# Altium PCB CRD25DA12N-FMC V2 (09-2024).PcbDoc (part 2 of 6) (continued)
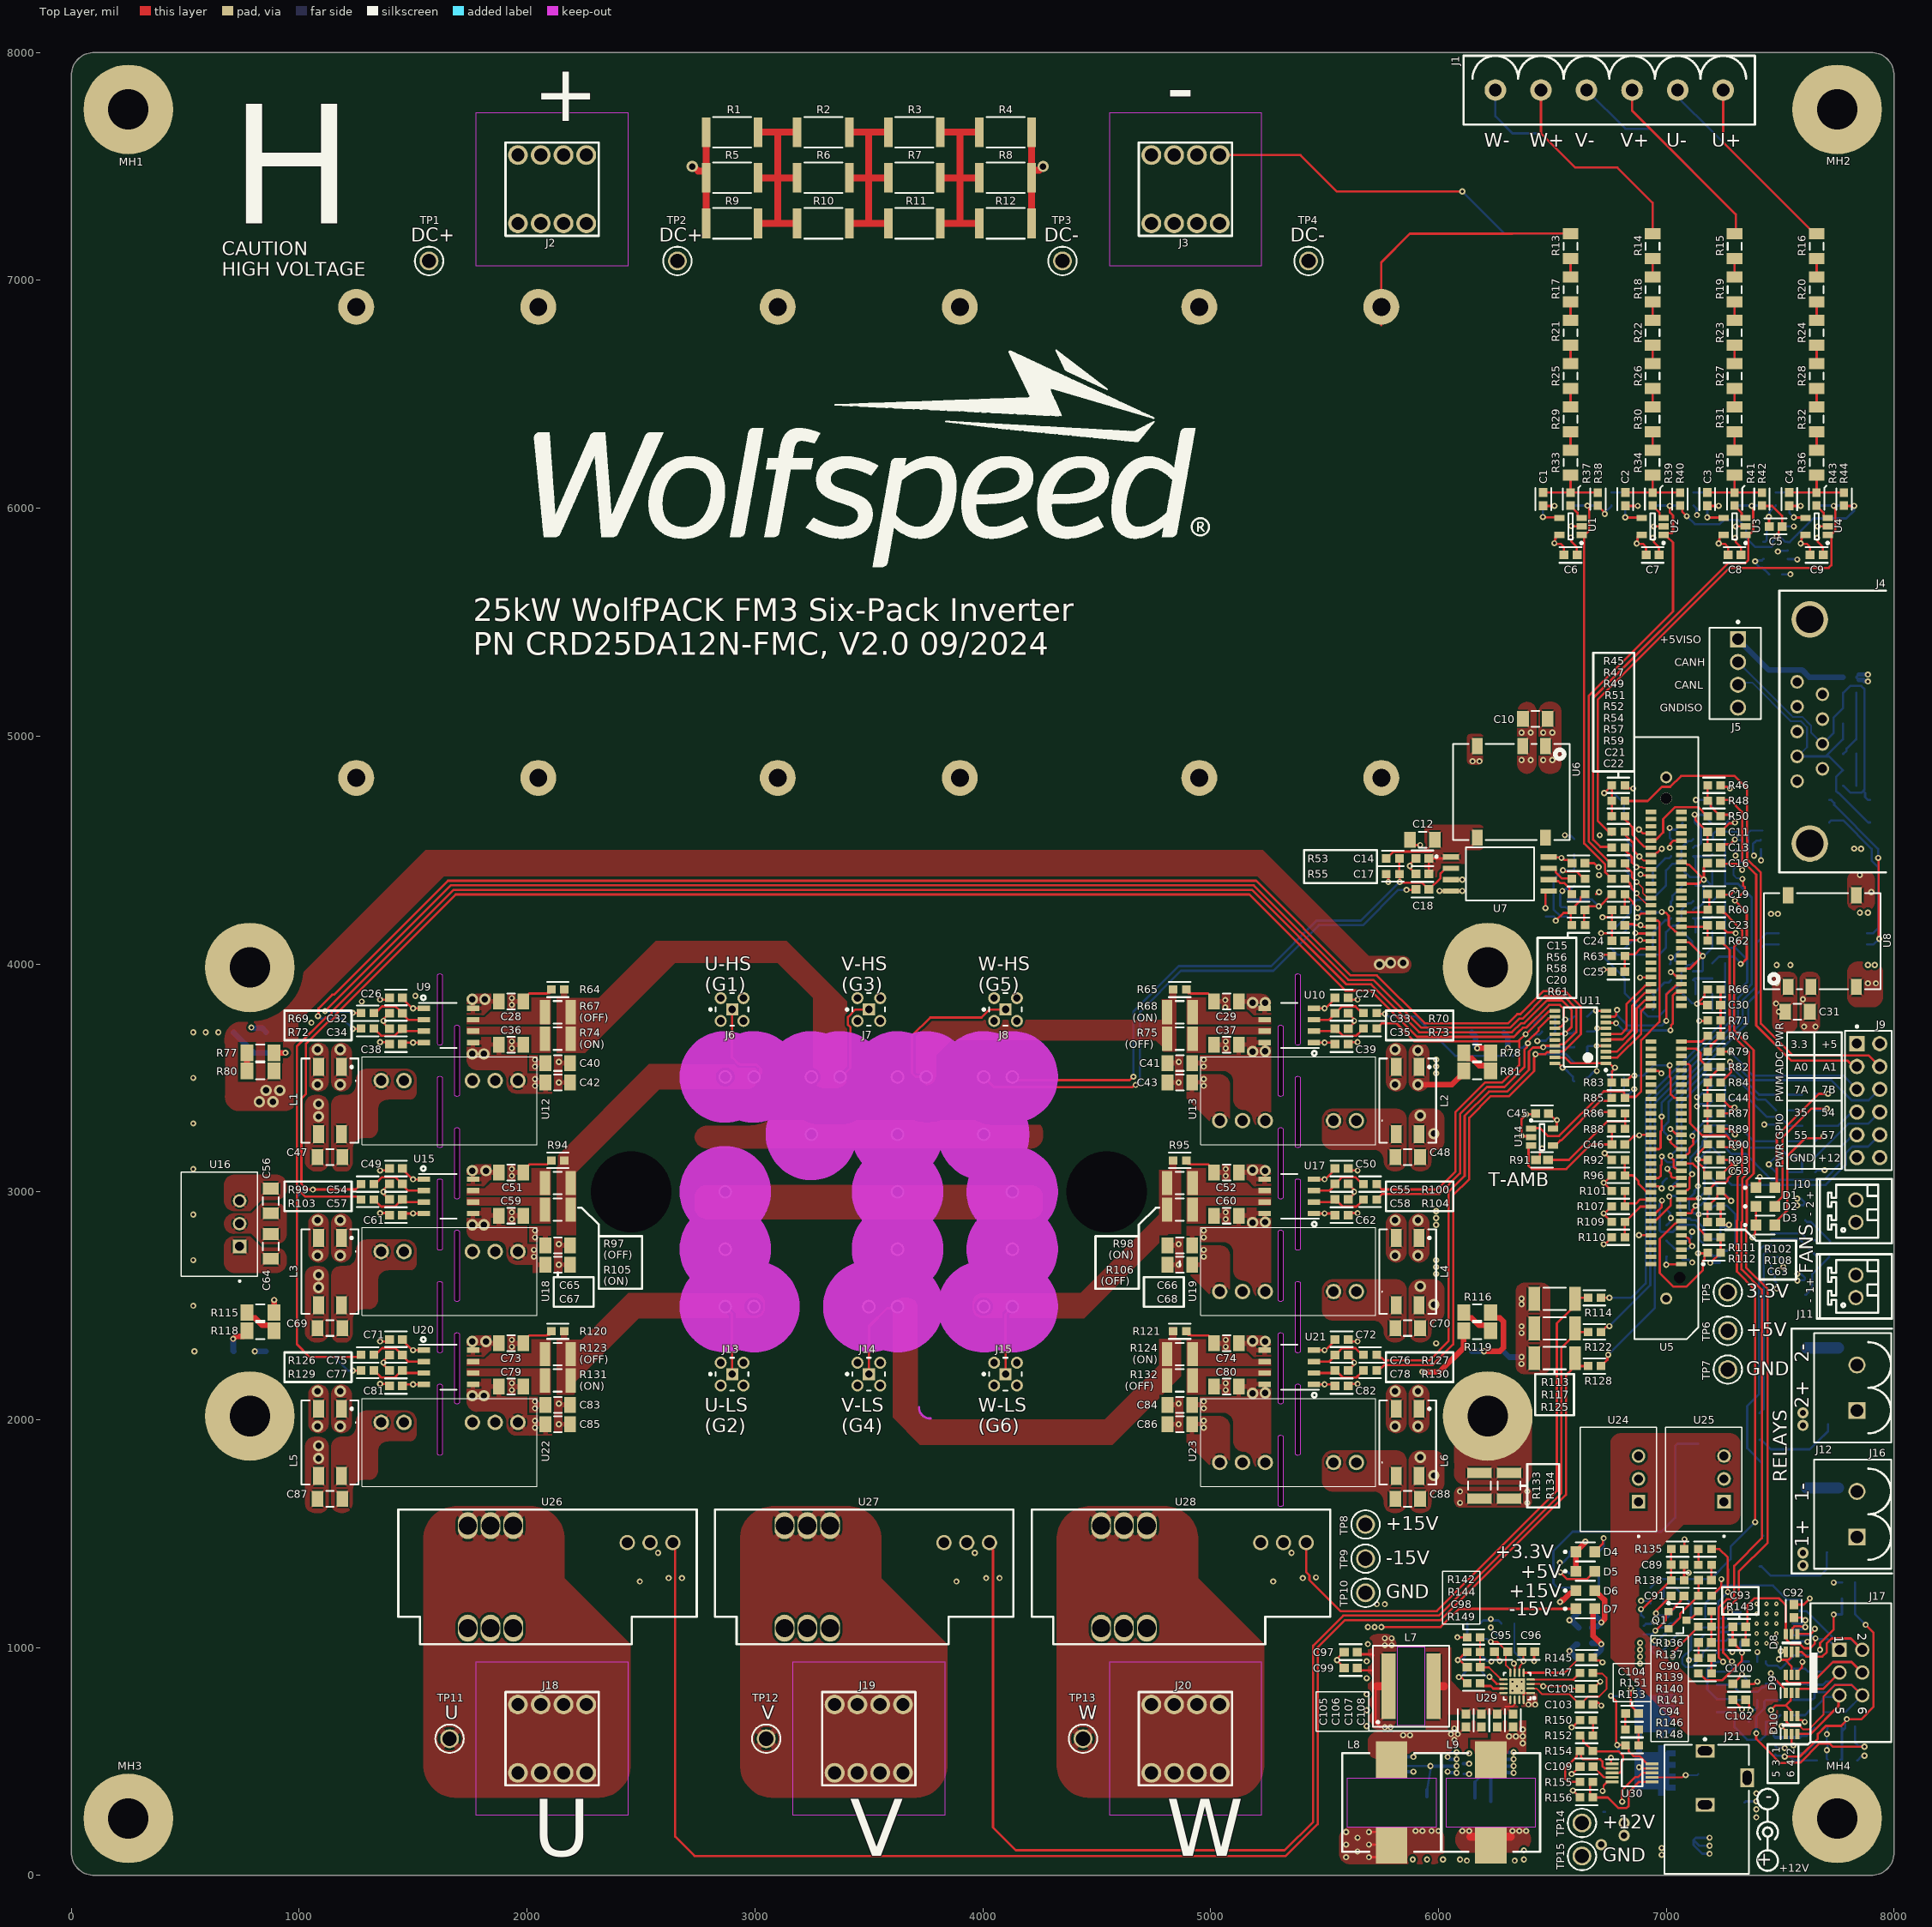
[diagram p0: Top Layer view]
## Footprints (in the part's own frame and the unit in brackets; to place one, negate y for a bottom-side part, rotate by r counter-clockwise, add the part's x,y. Pads: shape width x height; smd on the part's side, far side on the other; paste and mask are expansions set on the pad) (continued)
  rrect100% 0.239x0.949 smd paste+0 mask+0: 5(-0.75,-1.505) 6(-0.25,-1.505) 7(0.25,-1.505) 8(0.75,-1.505) 13(0.75,1.505) 14(0.25,1.505) 15(-0.25,1.505) 16(-0.75,1.505)
  rect 1.76x1.76 smd paste-1000 mask+0: 17(0,0)
  silkscreen extent -2.02,-1.5 1.5,1.5, body extent -2.48,-2.48 2.48,2.48, height 0.25
FP-SOT23-MFG [mm]
  rect 0.9x0.8 smd paste+0 mask+0: 1(-1,0.95) 2(-1,-0.95) 3(1,0)
  silkscreen extent -0.18,-1.5 0.7,1.5, body extent -1.2,-1.45 1.2,1.45, height 1.1
KSTN-5010_V [mm] "Test Point, Dia 3.17mm"
  round 2.1 hole 1.6: 1(0,0)
  silkscreen extent -1.59,-1.58 1.59,1.58, body extent -1.59,-1.59 1.59,1.59, height 8.13
KSTN-5011_V [mm] "Test Point, Dia 3.17mm"
  round 2.1 hole 1.6: 1(0,0)
  silkscreen extent -1.59,-1.58 1.59,1.58, body extent -1.59,-1.59 1.59,1.59, height 8.13
KSTN-5012_V [mm] "Test Point, Dia 3.17mm"
  round 2.1 hole 1.6: 1(0,0)
  silkscreen extent -1.59,-1.58 1.59,1.58, body extent -1.59,-1.59 1.59,1.59, height 8.13
L717SDE09PA4CH4RC309 [mm] "CONN D-SUB PLUG 9POS R/A SLDR"
  round 1.508 hole 1: 1(-5.54,1.42) 2(-2.77,1.42) 3(0,1.42) 4(2.77,1.42) 5(5.54,1.42) 6(-4.155,-1.42) 7(-1.385,-1.42) 8(1.385,-1.42) 9(4.155,-1.42)
  round 4.066 hole 3.05: 10(-12.495,0) 11(12.495,0)
  silkscreen extent -15.7,-8.5 15.7,3.4, body extent -15.4,-15.6 15.41,3, height 12.55
"LA 6 150 12" [mm]
  round 10 hole 4.5: 1(-69,25) 2(69,25) 3(-69,-25) 4(69,-25)
  body extent -104.53,-31.05 74.97,30.95, height 86.05
"LAH 50-P" [mil]
  oval 118.74x86.61 hole 78.74 mask+7.87: 1(235,370) 2(235,270) 3(235,170) 5(-215,270) 6(-215,170)
  oval 118.74x86.61 hole 78.74 paste-99999 mask+7.87: 4(-215,370)
  round 67.24 hole 47.24: 7(160,-330) 8(160,-430) 9(160,-530)
  silkscreen extent -285,-635 305,675, body extent -284,-636 304,675, height 790
MGJ2D121509SC [mm]
  round 1.725 hole 1.15: 1(-7.62,2.23) 2(-5.08,2.23) 5(2.54,2.23) 6(5.08,2.23) 7(7.62,2.23)
  silkscreen extent -10.52,-4.9 9.75,4.9, body extent -9.9,-5.09 9.6,4.73, height 13.09
MH_M4_P [mm] "M4 plated mounting hole"
  round 10 hole 4.5: 1(0,0)
  body extent -4,-4.62 4,4.62
ONSC-DPAK-3-369C-01_V [mm] "DPAK, 3-Leads, Body 6.54x6.095mm, Pitch 2.29mm"
  rect 3x1.6 smd: 1(-4.4,2.29) 3(-4.4,-2.29)
  rect 6.2x5.8 smd: 4(2.8,0)
  silkscreen extent -4.52,-3.27 -0.45,3.77, body extent -1.6,-3.27 4.49,3.27, height 2.38
ONSC-SOD-123FL-2-498-01_V [mm] "SOD, 2-Leads, Body 2.7x1.65mm"
  rect 0.91x1.22 smd: 1(-1.635,0) 2(1.635,0)
  silkscreen extent -0.78,-0.82 0.78,0.82, body extent -1.35,-0.82 1.35,0.82, height 1
ONSC-SOT-23-3-318-08_V [mm] "SOT23, 3-Leads, Body 2.92x1.3mm, Pitch 0.95mm"
  rect 0.9x0.8 smd: 1(-1,0.95) 2(-1,-0.95) 3(1,0)
  silkscreen extent -1.12,-1.46 0.65,2.02, body extent -0.65,-1.46 0.65,1.46, height 1.11
PW0020A_L [mm] "SOP, 20-Leads, Body 6.6x4.5mm, Pitch 0.65mm, IPC High Density"
  rrect25% 1.2x0.4 smd: 1(-2.85,2.925) 2(-2.85,2.275) 3(-2.85,1.625) 4(-2.85,0.975) 5(-2.85,0.325) 6(-2.85,-0.325) 7(-2.85,-0.975) 8(-2.85,-1.625) 9(-2.85,-2.275) 10(-2.85,-2.925) 11(2.85,-2.925) 12(2.85,-2.275) 13(2.85,-1.625) 14(2.85,-0.975) 15(2.85,-0.325) 16(2.85,0.325) 17(2.85,0.975) 18(2.85,1.625) 19(2.85,2.275) 20(2.85,2.925)
  silkscreen extent -2.98,-3.3 1.85,3.8, body extent -3.21,-3.25 3.21,3.25, height 1
RESC3125X70X40NL20T20 [mm] "Chip Resistor, 2-Leads, Body 3.10x2.50mm, IPC Medium Density"
  rect 1.15x2.7 smd: 1(-1.425,0) 2(1.425,0)
  silkscreen extent -0.45,-1.25 0.45,1.25, body extent -1.65,-1.35 1.65,1.35, height 0.7
RESC3216X65X50NL15T25 [mm] "Chip Resistor, 2-Leads, Body 3.20x1.60mm, IPC Medium Density"
  rect 1.25x1.75 smd: 1(-1.4,0) 2(1.4,0)
  silkscreen extent -0.4,-0.77 0.4,0.77, body extent -1.68,-0.87 1.68,0.87, height 0.65
SOP50P490X110-10N [mm]
  rect 1.425x0.3 smd: 1(-2.212,1) 2(-2.212,0.5) 3(-2.212,0) 4(-2.212,-0.5) 5(-2.212,-1) 6(2.212,-1) 7(2.212,-0.5) 8(2.212,0) 9(2.212,0.5) 10(2.212,1)
  silkscreen extent -2.92,-1.5 1.15,1.5, body extent -2.45,-1.5 2.45,1.5, height 1.1
SOT65P222X120-6N [mm]
  rect 1.15x0.45 smd: 1(-1,0.65) 2(-1,0) 3(-1,-0.65) 4(1,-0.65) 5(1,0) 6(1,0.65)
  silkscreen extent -1.58,-1 0.08,1.22, body extent -1.11,-1 1.11,1, height 1.2
TECO-640456-4 [mm] "Through Hole, 4-Leads, Body 10.16x5.72mm, Pitch 2.54mm"
  rect 1.8x1.8 hole 1.27 paste-2539.97: 1(3.81,0)
  round 1.8 hole 1.27 paste-2539.97: 2(1.27,0) 3(-1.27,0) 4(-3.81,0)
  silkscreen extent -5.08,-2.54 5.86,3.18, body extent -5.08,-2.54 5.08,3.18, height 10.03
TMDSCNCD280039C [mm]
  rect 0.5x1.2 smd paste+0 mask+0: 1(25.2,1.7) 2(25.2,-1.7) 3(24.4,1.7) 4(24.4,-1.7) 5(23.6,1.7) 6(23.6,-1.7) 7(22.8,1.7) 8(22.8,-1.7) 9(22,1.7) 10(22,-1.7) 11(21.2,1.7) 12(21.2,-1.7) 13(20.4,1.7) 14(20.4,-1.7) 15(19.6,1.7) 16(19.6,-1.7) 17(18.8,1.7) 18(18.8,-1.7) 19(18,1.7) 20(18,-1.7) 21(17.2,1.7) 22(17.2,-1.7) 23(16.4,1.7) 24(16.4,-1.7) 25(15.6,1.7) 26(15.6,-1.7) 27(14.8,1.7) 28(14.8,-1.7) 29(14,1.7) 30(14,-1.7) 31(13.2,1.7) 32(13.2,-1.7) 33(12.4,1.7) 34(12.4,-1.7) 35(11.6,1.7) 36(11.6,-1.7) 37(10.8,1.7) 38(10.8,-1.7) 39(10,1.7) 40(10,-1.7) 41(9.2,1.7) 42(9.2,-1.7) 43(8.4,1.7) 44(8.4,-1.7) 45(7.6,1.7) 46(7.6,-1.7) 47(6.8,1.7) 48(6.8,-1.7) 49(6,1.7) 50(6,-1.7) 51(5.2,1.7) 52(5.2,-1.7) 53(4.4,1.7) 54(4.4,-1.7) 55(3.6,1.7) 56(3.6,-1.7) 57(-0.4,1.7) 58(-0.4,-1.7) 59(-1.2,1.7) 60(-1.2,-1.7) 61(-2,1.7) 62(-2,-1.7) 63(-2.8,1.7) 64(-2.8,-1.7) 65(-3.6,1.7) 66(-3.6,-1.7) 67(-4.4,1.7) 68(-4.4,-1.7) 69(-5.2,1.7) 70(-5.2,-1.7) 71(-6,1.7) 72(-6,-1.7) 73(-6.8,1.7) 74(-6.8,-1.7) 75(-7.6,1.7) 76(-7.6,-1.7) 77(-8.4,1.7) 78(-8.4,-1.7) 79(-9.2,1.7) 80(-9.2,-1.7) 81(-10,1.7) 82(-10,-1.7) 83(-10.8,1.7) 84(-10.8,-1.7) 85(-11.6,1.7) 86(-11.6,-1.7) 87(-12.4,1.7) 88(-12.4,-1.7) 89(-13.2,1.7) 90(-13.2,-1.7) 91(-14,1.7) 92(-14,-1.7) 93(-14.8,1.7) 94(-14.8,-1.7) 95(-15.6,1.7) 96(-15.6,-1.7) 97(-16.4,1.7) 98(-16.4,-1.7) 99(-17.2,1.7) 100(-17.2,-1.7) 101(-18,1.7) 102(-18,-1.7) 103(-18.8,1.7) 104(-18.8,-1.7) 105(-19.6,1.7) 106(-19.6,-1.7) 107(-20.4,1.7) 108(-20.4,-1.7) 109(-21.2,1.7) 110(-21.2,-1.7) 111(-22,1.7) 112(-22,-1.7) 113(-22.8,1.7) 114(-22.8,-1.7) 115(-23.6,1.7) 116(-23.6,-1.7) 117(-24.4,1.7) 118(-24.4,-1.7) 119(-25.2,1.7) 120(-25.2,-1.7)
  round 1.34 hole 0.84 paste-2539.97 mask+0: 121(-29.05,0) 122(29.05,0)
  round 0 hole 1.27 unplated paste-2539.97 mask+0: ""(-26.7,-1.5)
  round 1.27 hole 1.27 unplated paste-2539.97 mask+0: ""(26.7,0)
  silkscreen extent -33.55,-4.25 33.55,3.56, body extent -33.87,-4.89 34.67,5.68, height 57.35
WE-SL2 [mm] "SMD Inductor, 4-Leads, Body 6.3 x 9.5 mm"
  rect 2x1.2 smd: 1(-3.75,1.27) 2(-3.75,-1.27) 3(3.75,-1.27) 4(3.75,1.27)
  silkscreen extent -4.7,-3.18 4.7,3.18, body extent -4.6,-3 4.6,3, height 5
WE-XHMI_8080_L8.8W8.3H7.8 [mm] "SMT Power Inductor, 2-Leads, body 8.8x8.3mm"
  rect 7.35x1.6 smd: 1(0,2.5) 2(0,-2.5)
  Top Layer keep-out region: -4.4,1.5 4.4,1.5 4.4,-1.5 -4.4,-1.5
  silkscreen extent -4.5,-4.25 4.5,4.25, body extent -4.4,-4.15 4.4,4.15, height 7.8

## Part data
C1 C21 C22 C24 C25 C104 C116 C119 C130 C137 C143 C166: "CAP CER 4700PF 25V 10% X7R 0603", Capacitance=4.7nF, Case Code (Imperial)=0603, Case Code (Metric)=1608, Dielectric=X7R, Dielectric Material=Ceramic, Manufacturer=KEMET, Manufacturer Part Number=C0603C472K3RACTU, Max Operating Temperature=125°C, Min Operating Temperature=-55°C, Package Quantity=1, Supplier Part Number 1=67AH9250, Tolerance=10%, Voltage Rating=25V, Category="Ceramic Capacitors", ComponentLink1Description=https://datasheet.ciiva.com/5414/kem-c1002-x7r-smd-357932-5414293.pdf?src-supplier=Mouser, ComponentLink1URL=https://datasheet.ciiva.com/5414/kem-c1002-x7r-smd-357932-5414293.pdf?src-supplier=Mouser, Construction=Flat, Depth=0.8mm, Dissipation Factor=10%, Height=0.8mm, Lead Pitch=0.7mm, Length=1.6mm, Mount="Surface Mount", Package=0603, Packaging="Tape and Reel", Pricing 1="1=0.04800, 4000=0.04800 (USD)", Radiation Hardening=No, Reach SVHC Compliant=Yes, RoHS=Yes, RoHS Compliant=Yes, Series=C, Stock 1=8000, Supplier 1=Newark, Termination=SMD/SMT, Thickness=0.034inch, Voltage Rating (DC)=25V, Width=0.031inch
C2 C3 C4 C90 C94 C113 C114 C115: "CAP CER 10000PF 25V X7R 0603", Capacitance=10nF, Case Code (Imperial)=0603, Case Code (Metric)=1608, Manufacturer=SAMSUNG, Max Operating Temperature=125°C, Min Operating Temperature=-55°C, Ratings=AEC-Q200, Tolerance=10%, Voltage Rating=25V, Category="Ceramic Capacitors", ComponentLink1Description=http://www.samsungsem.com/kr/support/product-search/mlcc/CL10B103KA8WPNC.jsp?src-supplier=Digi-Key, ComponentLink1URL=http://www.samsungsem.com/kr/support/product-search/mlcc/CL10B103KA8WPNC.jsp?src-supplier=Digi-Key, ComponentLink2Description=http://www.samsungsem.com/kr/support/library/product-catalog/mlcc.jsp?src-supplier=Digi-Key, ComponentLink2URL=http://www.samsungsem.com/kr/support/library/product-catalog/mlcc.jsp?src-supplier=Digi-Key, ComponentLink3Description=http://www.samsungsem.com/servlet/FileDownload?filename=productcatalog/pdf/MLCC.pdf&src-supplier=Avnet, ComponentLink3URL=http://www.samsungsem.com/servlet/FileDownload?filename=productcatalog/pdf/MLCC.pdf&src-supplier=Avnet, Features="Soft Termination", Length=0.063inch, Manufacturer Part Number=CL10B103KA8WPNC, Mount="Surface Mount", Package=0603, Packaging="Tape and Reel", Pricing 1="4000=0.00760, 8000=0.00670, 28000=0.00660, 100000=0.00500 (USD)", RoHS=Yes, RoHS Compliant=Yes, Stock 1=144000, Supplier 1="Arrow Electronics", Supplier Part Number 1=CL10B103KA8WPNC, Thickness=0.035inch, Width=0.031inch
C5 C6 C7 C8 C9 C11 C13 C15 C16 C17 C18 C45 C46 C89 C92 C100 C102 C117 C118 C123 C135 C136 C140 C141 C142 C150 C151 C152 C161 C169 C170 C180 C182 C183 C184: library part CMP-2006-03057-2, "CAP CER 0.1UF 25V X7R 0603", Capacitance=0.10μF, Manufacturer=KEMET, Package=0603, Temperature="-55°C to +125°C", Temperature Characteristic=X7R, Temperature Coefficient=30ppm/°C, Temperature Range High=+125°C, Temperature Range Low=-55°C, Tolerance=0.1, Voltage Rating=25V, Automotive=Yes, Automotive Grade="Grade 1", Category=Cap, ComponentLink2Description=Datasheet, ComponentLink2URL=https://api.kemet.com/component-edge/download/datasheet/C0603C100J5GACAUTO.pdf, Device Class L1="Passive Components", Device Class L2=Capacitors, Device Class L3="Ceramic Capacitors", Digikey Description="CAP CER 0.1UF 25V X7R 0603", Height=0.87mm, Lead Free=Yes, Manufacturer Part Number=C0603C104K3RACTU, Material=Ceramic, Mouser Description="Multilayer Ceramic Capacitors MLCC - SMD/SMT 25volts 0.1uF X7R 10%", Octopart=https://octopart.com/c0603c104k3ractu-kemet-127541, RoHS=TRUE
C10 C12 C28 C29 C31 C36 C37 C40 C41 C42 C43 C47 C48 C51 C52 C56 C59 C60 C64 C65 C66 C67 C68 C69 C70 C73 C74 C79 C80 C83 C84 C85 C86 C87 C88 C128 C154 C155 C156 C157 C203: library part CMP-13271-001434-1, "CAP CER 10UF 25V X7R 1206", Capacitance=10μF, Case Code (Imperial)=1206, Case Code (Metric)=3216, Dielectric=X7R, Manufacturer=SAMSUNG, Max Operating Temperature=125°C, Min Operating Temperature=-55°C, Package Quantity=1, Tolerance=10%, Voltage Rating=25V, Contact Plating=Tin, Depth=1.6mm, Height=1.6mm, Length=0.126inch, Manufacturer Part Number=CL31B106KAHSFNE, Mount="Surface Mount", Package=1206, Packaging="Tape and Reel", Radiation Hardening=No, Thickness=0.071inch, Width=0.063inch
C14 C26 C27 C38 C39 C49 C50 C61 C62 C71 C72 C81 C82 C126 C147 C153: "CAP CER 2.2UF 50V X5R 0603", Capacitance=2.2μF, Case Code (Imperial)=0603, Case Code (Metric)=1608, Manufacturer=MURATA, Max Operating Temperature=85°C, Min Operating Temperature=-55°C, Ratings=AEC-Q200, Tolerance=20%, Voltage Rating=50V, Category="Ceramic Capacitors", ComponentLink1Description=http://search.murata.co.jp/Ceramy/image/img/A01X/G101/ENG/GRT188R61H225ME13-01.pdf?src-supplier=Digi-Key, ComponentLink1URL=http://search.murata.co.jp/Ceramy/image/img/A01X/G101/ENG/GRT188R61H225ME13-01.pdf?src-supplier=Digi-Key, ComponentLink2Description=https://search.murata.co.jp/Ceramy/image/img/A01X/G101/ENG/GRT188R61H225ME13-01.pdf?src-supplier=Digi-Key, ComponentLink2URL=https://search.murata.co.jp/Ceramy/image/img/A01X/G101/ENG/GRT188R61H225ME13-01.pdf?src-supplier=Digi-Key, Length=0.063inch, Manufacturer Part Number=GRT188R61H225ME13D, Mount="Surface Mount", Package=0603, Packaging="Tape and Reel", Pricing 1="1=0.29580, 10=0.20370, 25=0.18090, 100=0.12380, 250=0.12190, 500=0.10920, 1000=0.07700, 3000=0.07630 (USD)", RoHS=Yes, RoHS Compliant=Yes, Stock 1=3937, Supplier 1="Arrow Electronics", Supplier Part Number 1=GRT188R61H225ME13D, Thickness=0.035inch, Width=0.031inch
C19 C23 C91 C99: library part CMP-2006-03716-2, "CAP CER 1000PF 50V X7R 0603", Capacitance=1nF, Manufacturer=KEMET, Package=0603, Temperature="-55°C to +125°C", Temperature Characteristic=X7R, Temperature Coefficient=30ppm/°C, Temperature Range High=+125°C, Temperature Range Low=-55°C, Tolerance=0.1, Voltage Rating="50 V", Automotive=Yes, Automotive Grade="Grade 1", Category=Cap, ComponentLink2Description=Datasheet, ComponentLink2URL=https://api.kemet.com/component-edge/download/datasheet/C0603C100J5GACAUTO.pdf, Device Class L1="Passive Components", Device Class L2=Capacitors, Device Class L3="Ceramic Capacitors", Digikey Description="CAP CER 1000PF 50V X7R 0603", Height=0.87mm, Lead Free=Yes, Manufacturer Part Number=C0603C102K5RACAUTO, Material=Ceramic, Mouser Description="Multilayer Ceramic Capacitors MLCC - SMD/SMT 1000pF 50volts 10% X7R AUTO", Octopart=https://octopart.com/c0603c102k5racauto-kemet-18822673, RoHS=TRUE
C20 C133 C165 C174 C177 C181: library part CMP-03020-020944-2, "CAP CER 330PF 250V C0G/NP0 0603", Capacitance=330pF, Manufacturer=KEMET, Package=0603, Temperature="-55°C to +125°C", Temperature Characteristic=C0G, Temperature Coefficient=30ppm/°C, Temperature Range High=+125°C, Temperature Range Low=-55°C, Tolerance=0.05, Voltage Rating="250 V", Automotive=Yes, Automotive Grade="Grade 1", Category=Cap, ComponentLink2Description=Datasheet, ComponentLink2URL=https://api.kemet.com/component-edge/download/datasheet/C0603C100J5GACAUTO.pdf, Device Class L1="Passive Components", Device Class L2=Capacitors, Device Class L3="Ceramic Capacitors", Digikey Description="Cap Ceramic 330pF 250V C0G 5% SMD 0603 125°C Paper T/R", Height=0.87mm, Lead Free=Yes, Manufacturer Part Number=C0603C331JAGAC7867, Material=Ceramic, Octopart=https://octopart.com/c0603c331jagac7867-kemet-83501965, RoHS=TRUE
C30 C32 C33 C34 C35 C44 C53 C54 C55 C57 C58 C63 C75 C76 C77 C78 C109 C122 C124 C146 C148 C149: "CAP CER 56PF 50V C0G/NP0 0603", Capacitance=56pF, Case Code (Imperial)=0603, Case Code (Metric)=1608, Dielectric=C0G, Manufacturer=SAMSUNG, Max Operating Temperature=125°C, Min Operating Temperature=-55°C, Package Quantity=1, Temperature Coefficient=30ppm/°C, Tolerance=5%, Voltage=50V, Category="Ceramic Capacitors", ComponentLink1Description=https://datasheet.ciiva.com/25803/cl10c560jb8nnnc-25803592.pdf?src-supplier=Digi-Key, ComponentLink1URL=https://datasheet.ciiva.com/25803/cl10c560jb8nnnc-25803592.pdf?src-supplier=Digi-Key, ComponentLink2Description=https://datasheet.ciiva.com/26838/getdatasheetpartid-640760-26838546.pdf?src-supplier=Verical, ComponentLink2URL=https://datasheet.ciiva.com/26838/getdatasheetpartid-640760-26838546.pdf?src-supplier=Verical, ComponentLink3Description=https://datasheet.ciiva.com/29198/456837-da-01-en-vs-kondensator-0603-29198873.pdf?src-supplier=Conrad, ComponentLink3URL=https://datasheet.ciiva.com/29198/456837-da-01-en-vs-kondensator-0603-29198873.pdf?src-supplier=Conrad, ComponentLink4Description=https://datasheet.ciiva.com/48428/mlcc-catalogdownload2013-eng-48428598.pdf?src-supplier=Distrelec, ComponentLink4URL=https://datasheet.ciiva.com/48428/mlcc-catalogdownload2013-eng-48428598.pdf?src-supplier=Distrelec, ComponentLink5Description=https://datasheet.ciiva.com/16449/cl05b104kq5nnnc-16449527.pdf?src-supplier=Future+Electronics, ComponentLink5URL=https://datasheet.ciiva.com/16449/cl05b104kq5nnnc-16449527.pdf?src-supplier=Future+Electronics, Construction=Flat, Depth=0.8mm, Height=0.8mm, Lead Free="Lead Free", Length=1.6mm, Manufacturer Part Number=CL10C560JB8NNNC, Material=Ceramic, Mount="Surface Mount", Package=0603, Packaging="Tape and Reel", Pricing 1="1=0.05960, 10=0.01370, 25=0.01360, 100=0.01080, 250=0.01070, 500=0.00740, 1000=0.00590, 3000=0.00560, 6000=0.00530, 15000=0.00500, 30000=0.00470 (USD)", Radiation Hardening=No, RoHS=Yes, RoHS Compliant=Yes, Series=CL, Stock 1=60182, Supplier 1="Arrow Electronics", Supplier Part Number 1=CL10C560JB8NNNC, Termination=SMD/SMT, Thickness=0.035inch, Voltage Rating=50V, Voltage Rating (DC)=50V, Width=0.031inch
C93 C120 C121 C167: "CAP CER 18PF 50V C0G/NP0 0603", Capacitance=18pF, Case Code (Imperial)=0603, Case Code (Metric)=1608, Dielectric=C0G, Dielectric Material=Ceramic, Insulation Resistance=100GR, Manufacturer="KYOCERA AVX", Max Operating Temperature=125°C, Min Operating Temperature=-55°C, Package Quantity=1, Supplier Part Number 1=1349617, Temperature Coefficient=30ppm/°C, Tolerance=5%, Voltage=50V, Category="Ceramic Capacitors", ComponentLink1Description=https://datasheet.ciiva.com/1124/84496-1124722.pdf?src-supplier=Element14, ComponentLink1URL=https://datasheet.ciiva.com/1124/84496-1124722.pdf?src-supplier=Element14, ComponentLink2Description=https://datasheet.ciiva.com/22699/84496-22699967.pdf?src-supplier=Element14, ComponentLink2URL=https://datasheet.ciiva.com/22699/84496-22699967.pdf?src-supplier=Element14, ComponentLink3Description=https://datasheet.ciiva.com/7855/759117-7855062.pdf?src-supplier=Element14, ComponentLink3URL=https://datasheet.ciiva.com/7855/759117-7855062.pdf?src-supplier=Element14, ComponentLink4Description=https://datasheet.ciiva.com/7855/84496-7855222.pdf?src-supplier=Element14, ComponentLink4URL=https://datasheet.ciiva.com/7855/84496-7855222.pdf?src-supplier=Element14, ComponentLink5Description=https://datasheet.ciiva.com/150/ccog-150276.pdf?src-supplier=Digi-Key, ComponentLink5URL=https://datasheet.ciiva.com/150/ccog-150276.pdf?src-supplier=Digi-Key, ComponentLink6Description=https://datasheet.ciiva.com/150/ccog-150277.pdf?src-supplier=Digi-Key, ComponentLink6URL=https://datasheet.ciiva.com/150/ccog-150277.pdf?src-supplier=Digi-Key, Contact Plating=Tin,Matte, Depth=0.81mm, Height=0.86mm, Lead Free="Lead Free", Length=1.6mm, Manufacturer Part Number=06035A180JAT2A, Mount="Surface Mount", Number of Pins=2, Package=0603, Packaging="Tape and Reel", Pricing 1="4000=0.01900, 12000=0.01700 (USD)", Radiation Hardening=No, Reach SVHC Compliant=Yes, RoHS=Yes, RoHS Compliant=Yes, Series=-, Stock 1=1, Supplier 1=Rs, Termination=SMD/SMT, Thickness=0.035inch, Voltage Rating=50V, Voltage Rating (DC)=50V, Width=0.032inch
C95: "CAP CER 220PF 100V C0G/NP0 0603", Capacitance=220pF, Case Code (Imperial)=0603, Case Code (Metric)=1608, Dielectric=C0G, Manufacturer=MURATA, Max Operating Temperature=125°C, Min Operating Temperature=-55°C, Package Quantity=1, Ratings=AEC-Q200, Supplier Part Number 1=81-GCM1885C2A221J16D, Temperature Coefficient=30ppm/°C, Tolerance=5%, Voltage=100V, Case/Package=0603, Category="Ceramic Capacitors", ComponentLink1Description=https://datasheet.ciiva.com/133/product-133699.pdf?src-supplier=Digikey, ComponentLink1URL=https://datasheet.ciiva.com/133/product-133699.pdf?src-supplier=Digikey, ComponentLink2Description=https://datasheet.ciiva.com/133/product-133700.pdf?src-supplier=Digikey, ComponentLink2URL=https://datasheet.ciiva.com/133/product-133700.pdf?src-supplier=Digikey, ComponentLink3Description=https://datasheet.ciiva.com/133/product-133701.pdf?src-supplier=Digikey, ComponentLink3URL=https://datasheet.ciiva.com/133/product-133701.pdf?src-supplier=Digikey, ComponentLink4Description=https://datasheet.ciiva.com/11605/product-11605111.pdf?src-supplier=Avnet, ComponentLink4URL=https://datasheet.ciiva.com/11605/product-11605111.pdf?src-supplier=Avnet, ComponentLink5Description=https://datasheet.ciiva.com/16508/s0717e-16508220.pdf?src-supplier=Future+Electronics, ComponentLink5URL=https://datasheet.ciiva.com/16508/s0717e-16508220.pdf?src-supplier=Future+Electronics, Construction=Flat, Depth=0.8mm, Dissipation Factor=0.01%, Height=0.8mm, Lead Free="Lead Free", Length=1.6mm, Manufacturer Part Number=GCM1885C2A221JA16D, Material=4241ConductorMaterial, Mount="Surface Mount", Package=0603, Packaging="Tape and Reel", Pricing 1="1=0.11, 10=0.052, 50=0.052, 100=0.031, 1000=0.023, 10000=0.018 (USD)", Radiation Hardening=No, RoHS=Yes, RoHS Compliant=Yes, Series=GCM, Stock 1=78175, Supplier 1=Mouser, Termination=SMD/SMT, Thickness=0.035inch, Voltage Rating=100V, Voltage Rating (DC)=100V, Width=0.031inch
C96 C131 C132 C138 C139 C144 C145: "CAP CER 100PF 50V C0G/NP0 0603", Capacitance=100pF, Case Code (Imperial)=0603, Case Code (Metric)=1608, Dielectric=C0G, Manufacturer=SAMSUNG, Max Operating Temperature=125°C, Min Operating Temperature=-55°C, Package Quantity=1, Supplier Part Number 1=7665130, Temperature Coefficient=300ppm/°C, Tolerance=5%, Voltage=50V, Category="Ceramic Capacitors", ComponentLink1Description=https://datasheet.ciiva.com/25782/cl10c101jb8nnnc-25782145.pdf?src-supplier=Digi-Key, ComponentLink1URL=https://datasheet.ciiva.com/25782/cl10c101jb8nnnc-25782145.pdf?src-supplier=Digi-Key, ComponentLink2Description=https://datasheet.ciiva.com/26838/getdatasheetpartid-358356-26838483.pdf?src-supplier=Verical, ComponentLink2URL=https://datasheet.ciiva.com/26838/getdatasheetpartid-358356-26838483.pdf?src-supplier=Verical, ComponentLink3Description=https://datasheet.ciiva.com/29199/456574-da-01-en-vs-kondensator-0603-29199002.pdf?src-supplier=Conrad, ComponentLink3URL=https://datasheet.ciiva.com/29199/456574-da-01-en-vs-kondensator-0603-29199002.pdf?src-supplier=Conrad, ComponentLink4Description=https://datasheet.ciiva.com/26310/mlcc-catalogdownload2013-eng-26310303.pdf?src-supplier=Distrelec, ComponentLink4URL=https://datasheet.ciiva.com/26310/mlcc-catalogdownload2013-eng-26310303.pdf?src-supplier=Distrelec, Construction=Flat, Contact Plating=Tin, Depth=0.8mm, Height=0.8mm, Lead Free="Lead Free", Length=1.6mm, Manufacturer Part Number=CL10C101JB8NNNC, Material=Ceramic, Mount="Surface Mount", Package=0603, Packaging="Tape and Reel", Radiation Hardening=No, RoHS=Yes, RoHS Compliant=Yes, Series=CL, Stock 1=488000, Supplier 1=Rs, Thickness=0.035inch, Voltage Rating=50V, Voltage Rating (DC)=50V, Width=0.031inch
C97 C101: "CAP CER 10000PF 100V X7R 0603", Capacitance=10nF, Case Code (Imperial)=0603, Case Code (Metric)=1608, Dielectric=X7R, Manufacturer=MURATA, Max Operating Temperature=125°C, Min Operating Temperature=-55°C, Package Quantity=1, Ratings=AEC-Q200, Supplier Part Number 1=81-GCM188R72A103KA7D, Tolerance=10%, Voltage=100V, Case/Package=0603, Category="Ceramic Capacitors", ComponentLink1Description=https://datasheet.ciiva.com/132/product-132908.pdf?src-supplier=Digikey, ComponentLink1URL=https://datasheet.ciiva.com/132/product-132908.pdf?src-supplier=Digikey, ComponentLink2Description=https://datasheet.ciiva.com/132/product-132907.pdf?src-supplier=Digikey, ComponentLink2URL=https://datasheet.ciiva.com/132/product-132907.pdf?src-supplier=Digikey, ComponentLink3Description=https://datasheet.ciiva.com/132/product-132909.pdf?src-supplier=Digikey, ComponentLink3URL=https://datasheet.ciiva.com/132/product-132909.pdf?src-supplier=Digikey, ComponentLink4Description=https://datasheet.ciiva.com/11786/0900766b80ef92d0-11786108.pdf?src-supplier=Rs, ComponentLink4URL=https://datasheet.ciiva.com/11786/0900766b80ef92d0-11786108.pdf?src-supplier=Rs, ComponentLink5Description=https://datasheet.ciiva.com/16497/product-16497251.pdf?src-supplier=Future+Electronics, ComponentLink5URL=https://datasheet.ciiva.com/16497/product-16497251.pdf?src-supplier=Future+Electronics, ComponentLink6Description=https://datasheet.ciiva.com/18183/getdatasheetpartid-178890-18183651.pdf?src-supplier=Verical, ComponentLink6URL=https://datasheet.ciiva.com/18183/getdatasheetpartid-178890-18183651.pdf?src-supplier=Verical, ComponentLink7Description=https://datasheet.ciiva.com/11619/product-11619719.pdf?src-supplier=Avnet, ComponentLink7URL=https://datasheet.ciiva.com/11619/product-11619719.pdf?src-supplier=Avnet, Construction=Flat, Depth=0.8mm, Height=0.8mm, Lead Free="Lead Free", Length=1.6mm, Manufacturer Part Number=GCM188R72A103KA37D, Material=4241ConductorMaterial, Mount="Surface Mount", Package=0603, Packaging="Tape and Reel", Pricing 1="1=0.1, 10=0.037, 50=0.037, 100=0.019, 1000=0.012, 4000=0.011, 8000=0.009, 10000=0.009, 24000=0.008, 100000=0.007 (USD)", Radiation Hardening=No, Reach SVHC Compliant=No, RoHS=Yes, RoHS Compliant=Yes, Series=GCM, Stock 1=588517, Supplier 1=Mouser, Termination=SMD/SMT, Thickness=0.035inch, Voltage Rating=100V, Voltage Rating (DC)=100V, Width=0.031inch
C98: "CAP CER 0.068UF 50V X7R 0603", Capacitance=68nF, Case Code (Imperial)=0603, Case Code (Metric)=1608, Dielectric=X7R, Manufacturer=TDK, Max Operating Temperature=125°C, Min Operating Temperature=-55°C, Package Quantity=4000, Ratings=AEC-Q200, Supplier Part Number 1=445-5665-1-ND, Tolerance=10%, Voltage Rating=50V, Case/Package=0603, Category="Ceramic Capacitors", ComponentLink1Description=https://datasheet.ciiva.com/24219/cga3e2x7r1h683k080aa-265937-24219113.pdf?src-supplier=Mouser, ComponentLink1URL=https://datasheet.ciiva.com/24219/cga3e2x7r1h683k080aa-265937-24219113.pdf?src-supplier=Mouser, ComponentLink2Description=https://datasheet.ciiva.com/46424/1839935-46424229.pdf?src-supplier=Element14, ComponentLink2URL=https://datasheet.ciiva.com/46424/1839935-46424229.pdf?src-supplier=Element14, ComponentLink3Description=https://datasheet.ciiva.com/46424/1839935-46424230.pdf?src-supplier=Element14, ComponentLink3URL=https://datasheet.ciiva.com/46424/1839935-46424230.pdf?src-supplier=Element14, Depth=0.8mm, Height=0.8mm, Length=1.6mm, Manufacturer Part Number=CGA3E2X7R1H683K080AA, Mount="Surface Mount", Package=0603, Packaging="Tape and Reel", Pricing 1="1=0.11, 10=0.075, 50=0.0432, 100=0.0335, 500=0.02524, 1000=0.01983 (USD)", Reach SVHC Compliant=No, RoHS=Yes, RoHS Compliant=Yes, Series=CGA, Stock 1=167422, Supplier 1=Digikey, Termination=SMD/SMT, Voltage Rating (DC)=50V, Weight=7.1E-05oz, Width=0.8mm